# KiCad board PROC099A_PCB-PcbDoc.kicad_pcb (continued)
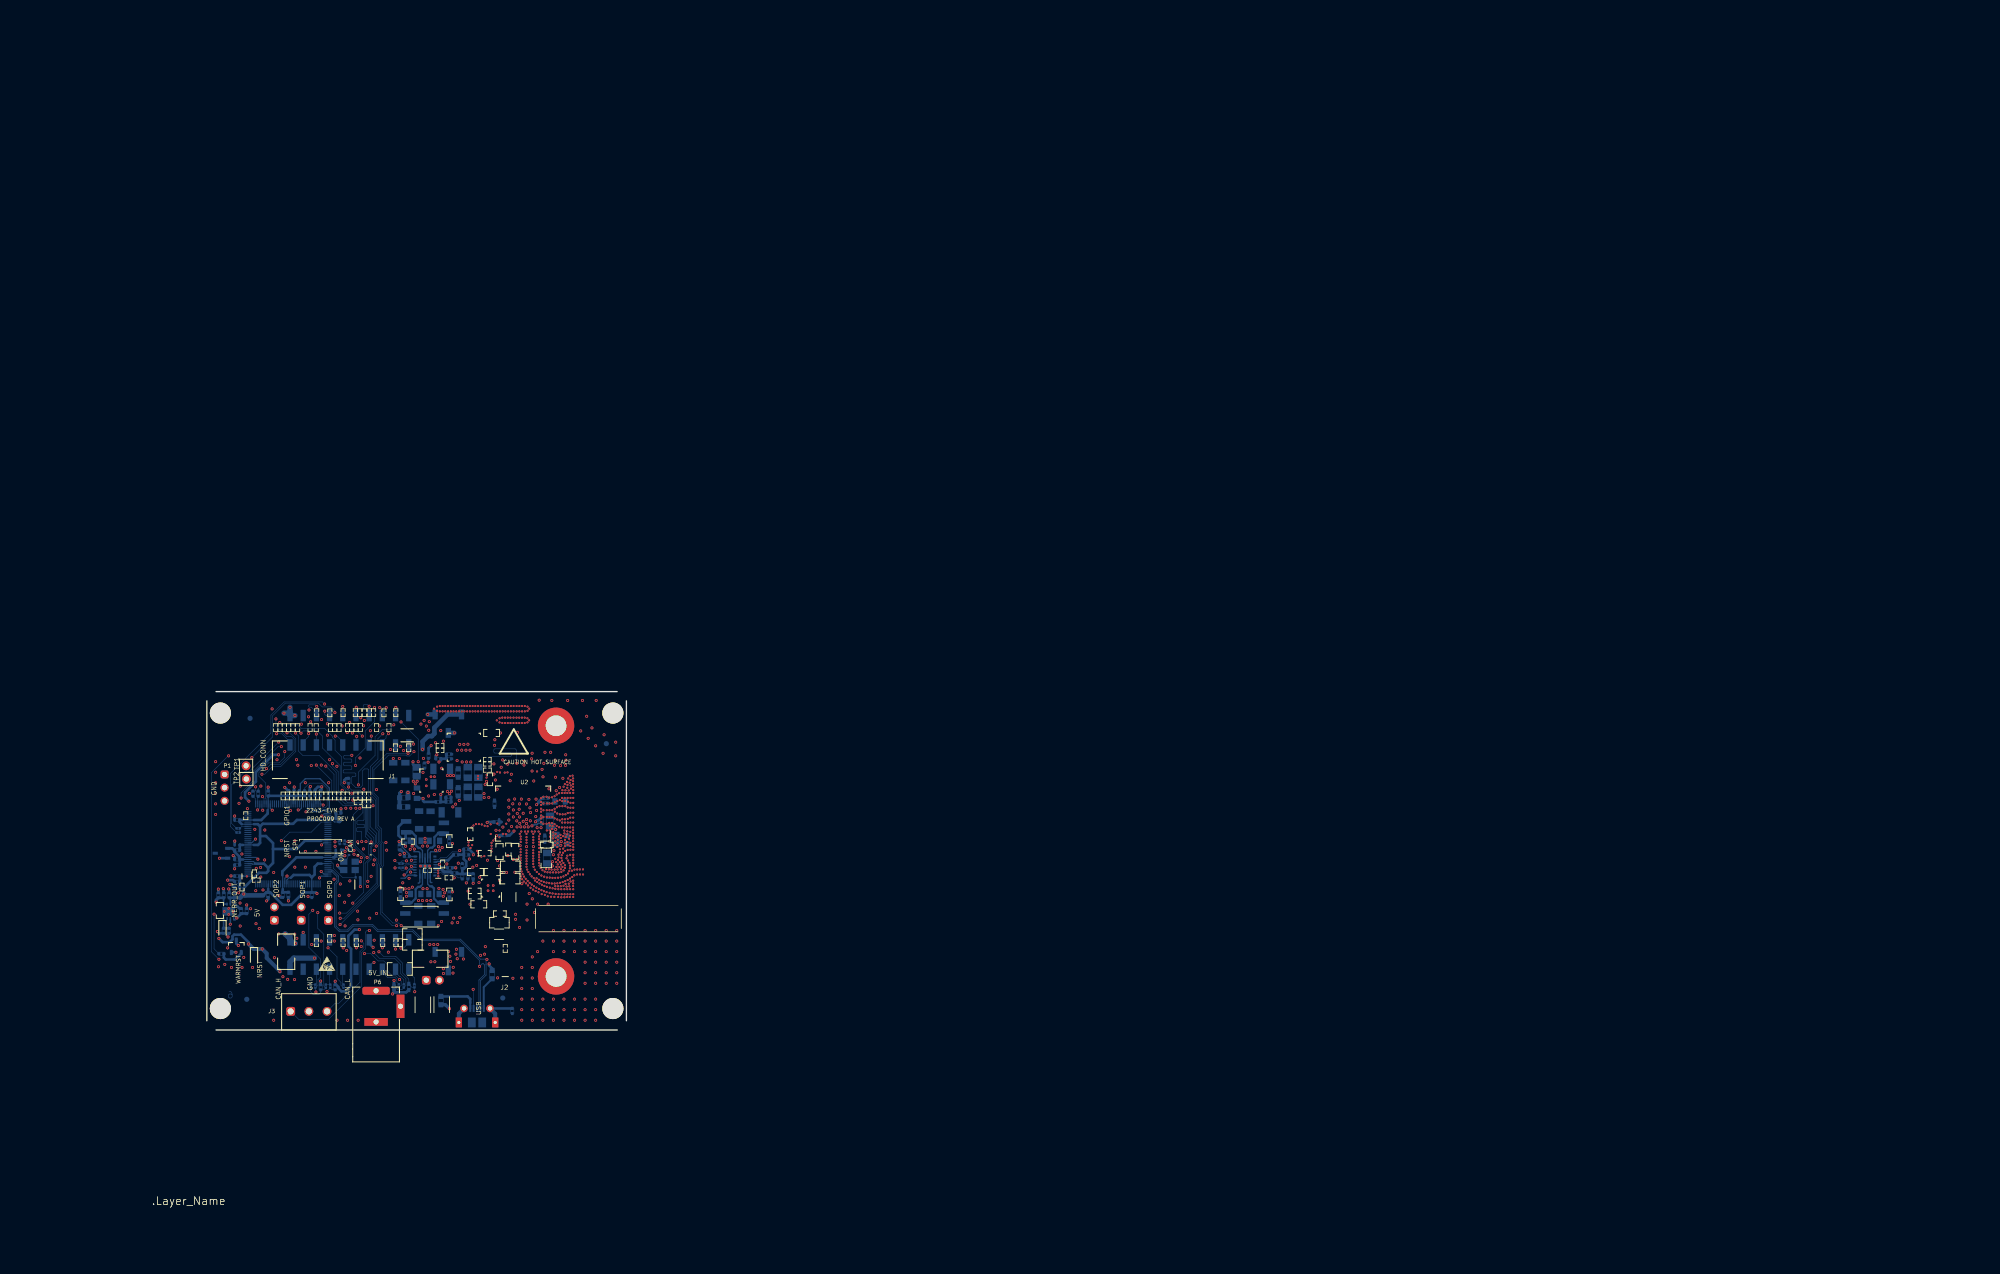
[diagram p0: board, top side]
## Routing (per net, layer and track width the routed paths; a pad name or vN(x,y) marks a point on that pad's centre or on a via; arc(x,y) is an arc through that point) (continued)
XDSET_TDI: length 29.7
  In2.Cu w0.127: v1(28.01,57.18) 27.42,56.59 26.13,56.59 25.43,57.29 22.81,57.29 19.98,54.46 15.87,54.46 v1(15,53.6)
  Bottom w0.102: U6.38 11.41,44.52 11.26,44.67 11.26,47.61 10.02,48.86 10.02,49.54 11.91,51.43 13.91,51.43 15,52.52 v1(15,53.6)
  In7.Cu w0.102: v1(28.01,57.18) 28.01,57.2 27.9,57.31 R30.2
XDSET_TDO: length 23.5
  In2.Cu w0.127: v1(28.68,42.7) 28.09,43.28 27.72,43.28 26.07,44.93 v1(10.71,44.93)
  Bottom w0.102: U6.37 11.01,44.58 10.71,44.88 v1(10.71,44.93)
  In7.Cu w0.102: v1(28.68,42.7) 29.16,43.18 29.67,43.18 30.08,42.77 30.73,42.77 R71.2
XDSET_TMS: length 21.5
  In2.Cu w0.127: v1(26.75,42.7) 26.75,42.34 26.17,41.76 22.74,41.76 21.07,43.43 11.87,43.43 v1(10.76,42.32)
  Bottom w0.102: v1(10.76,42.32) 10.61,42.47 U6.36
  In7.Cu w0.127: R69.2 28.67,43.72 27.77,43.72 v1(26.75,42.7)
XDSET_VBAT: length 2.6
  Bottom w0.203: 24.85,40.72 24.74,40.83 U6.68
  Bottom w0.508: 24.85,40.72 24.85,41.75 24.84,41.77
XDSET_VREFA: length 6.4
  Bottom w0.203: 6.97,32.83 U6.9
  Bottom w0.508: 6.33,32.83 6.33,33.31 5.37,34.27 5.37,34.6 5.27,34.6 4.89,34.98 3.97,34.98 ; 6.33,32.83 6.34,32.83 6.97,32.83 ; 6.33,32.83 6.33,31.78 6.33,31.78

## Copper pours and planes (outline as drawn; the poured copper is in the pictures)
5V_IN on In3.Cu: outline of 334 points within 12.99,8.31 43.2,60.17
5V_IN on In7.Cu: 13,12.47 13.74,13.21 19.04,13.21 19.55,12.7 19.55,8.89 19.2,8.53 13.53,8.53 13,9.07
5V_IN on In7.Cu: 39.82,9.99 39.82,19.38 41.56,19.38 41.56,13.07 43.33,11.3 43.33,8.53 43.31,8.52 41.29,8.52
5V_IN on In7.Cu: 43.68,59.6 43.21,60.07 41.03,60.07 39.95,58.98 39.95,55.57 40.38,55.14 41.86,55.14 43.68,56.97
5V_UNREG on Bottom: 41.15,28.89 41.17,28.89 41.17,28.18 41.1,28.16 41.06,28.14 41.03,28.12 41,28.1 40.87,27.98 40.49,27.98 40.27,27.76 40.25,27.76 39.86,27.37 39.86,27.35 39.78,27.27 39.78,25.51 39.72,25.46 37.92,25.46 37.92,27.85 38.52,28.45 38.53,28.45 38.79,28.71 40.79,28.71 40.86,28.79 40.86,30.92 40.88,30.94 41.13,30.94 41.15,30.93
5V_UNREG on Bottom: 43.15,34.08 43.32,34.25 44,34.25 44,34.2 45.28,34.2 46.06,34.99 46.06,37.48 44.55,37.48 44.23,37.16 44.23,35.33 43.58,34.68 43.07,34.68 42.87,34.49 42.87,32.91 42.87,32.19 43.15,32.19
5V_UNREG on Bottom: 46.07,27.84 46.07,25.49 46.04,25.46 44.19,25.46 44.14,25.5 44.14,27.43 43.5,28.08 43.01,28.08 42.84,28.24 42.84,28.89 42.86,28.89 42.86,30.94 42.87,30.95 43.15,30.95 43.15,28.87 43.3,28.71 45.19,28.71
5V_UNREG on Bottom: 40.86,32.19 40.86,34.2 40.81,34.2 40.81,34.25 40.01,34.25 40.01,34.2 38.73,34.2 38.73,37.47 39.47,37.47 39.8,37.14 39.8,35.39 40.58,34.62 40.98,34.62 41.13,34.47 41.13,32.19
5V_UNREG on In3.Cu: outline of 198 points within 35.75,8 48.21,36.92
5V_UNREG on In7.Cu: 44.41,15.02 44.95,15.56 47.31,15.56 47.44,15.43 47.44,8.62 43.94,8.62 43.94,11.29 44.41,11.76
GND on Bottom: 43.06,26.96 43.3,26.96 43.3,25.16 44.05,24.41 44.05,23.35 39.82,23.35 39.82,24.28 39.84,24.33 39.85,24.4 40.62,25.17 40.62,26.92 40.63,26.93 40.91,26.93 41.11,27.14 41.22,27.14 41.55,27.47 41.58,27.5 41.6,27.53 41.62,27.56 41.64,27.59 41.65,27.63 41.67,27.7 41.87,27.9 41.87,30.94 42.13,30.94 42.13,27.88
GND on Bottom: outline of 282 points within 47.72,0.83 80.01,64.22
GND on Bottom: 65.63,38.51 65.07,39.07 65.07,39.17 64.62,39.62 63.6,39.62 63.6,39.7 63.86,39.97 64.01,39.97 64.12,40.08 65,40.08 65.02,40.11 65.14,40.11 65.35,39.9 68.35,39.9 68.35,38.51
GND on Bottom: 61.8,0.79 61.8,0.79 61.51,0.79 61.51,19.84 80,19.84 80,7.58 76.68,7.58 75.53,6.44 75.53,0.79
GND on Bottom: outline of 206 points within 42.59,7.8 53.18,18.83
GND on Bottom: 34.98,49.88 41.17,49.88 41.24,49.95 41.24,51.4 40.44,52.2 39.51,52.2 39.15,52.56 35.03,52.56 34.66,52.19 34.66,50.19
GND on Bottom: 47.94,49.76 47.91,49.78 47.91,51.06 47.8,51.17 47.8,52.66 48.2,53.06 53,53.06 53.41,52.65 53.41,50.12 53.05,49.76
GND on Bottom: 44.12,38.33 44.1,38.28 44.08,38.24 44.07,38.19 43.39,37.5 43.39,35.76 43.2,35.76 42.96,35.52 42.91,35.51 42.87,35.5 42.84,35.48 42.81,35.47 42.78,35.45 42.75,35.42 42.72,35.4 42.7,35.37 42.68,35.34 42.66,35.31 42.64,35.28 42.62,35.24 42.61,35.21 42.6,35.16 42.2,34.75 42.2,34.75 42.17,34.73 42.17,34.25 42.15,34.25 42.15,32.19 41.86,32.19 41.86,34.25 41.84,34.25 41.84,34.7 41.79,34.74 41.79,34.75 41.44,35.1 41.43,35.15 41.42,35.19 41.41,35.22 41.39,35.25 41.37,35.29 41.34,35.31 41.32,35.34 41.29,35.36 41.26,35.39 41.23,35.41 41.2,35.42 41.17,35.44 41.09,35.45 40.85,35.69 40.69,35.69 40.64,35.74 40.64,37.49 39.95,38.18 39.94,38.24 39.92,38.28 39.91,38.32 39.89,38.36 39.85,38.42 39.85,39.27 44.12,39.27
GND on In2.Cu: outline of 382 points within 0.76,0.76 80.01,64.39
GND on In3.Cu: outline of 382 points within 0.76,0.76 80.01,64.39
GND on In4.Cu: outline of 382 points within 0.76,0.76 80.01,64.39
GND on In7.Cu: 75.3,47.81 74.33,47.81 74.33,47.11 73.1,47.11 73.1,47.81 72.13,47.81 72.13,47.11 71,47.11 71,47.15 70,47.15 70,46.97 71,46.97 71,47.01 72.13,47.01 72.13,46.31 73.1,46.31 73.1,47.01 74.33,47.01 74.33,46.31 75.3,46.31 75.3,47.01 76.73,47.01 76.73,46.91 76.53,46.91 76.53,46.31 77.45,46.31 77.45,47.81 76.53,47.81 76.53,47.21 76.73,47.21 76.73,47.11 75.3,47.11
GND on In7.Cu: 45.12,19.75 45.66,20.29 45.66,21.3 45.65,21.31 45.65,22.81 45.03,23.43 42.66,23.43 42.11,22.88 42.11,20.46 42.82,19.75
GND on In7.Cu: 38.53,6.32 38.53,5.36 40.35,3.53 46.4,3.53 46.45,3.48 46.45,1.85 45.59,0.99 30.96,0.99 30.32,1.63 30.32,4.5 30.75,4.93 34.87,4.93 36.84,6.9 37.95,6.9
GND on In7.Cu: 63.46,6.52 71.05,6.52 71.05,14.19 63.46,14.19
GND on In7.Cu: 75.3,38.31 74.33,38.31 74.33,37.61 73.1,37.61 73.1,38.31 72.13,38.31 72.13,37.61 71,37.61 71,37.65 70,37.65 70,37.47 71,37.47 71,37.51 72.13,37.51 72.13,36.81 73.1,36.81 73.1,37.51 74.33,37.51 74.33,36.81 75.3,36.81 75.3,37.51 76.73,37.51 76.73,37.41 76.53,37.41 76.53,36.81 77.45,36.81 77.45,38.31 76.53,38.31 76.53,37.71 76.73,37.71 76.73,37.61 75.3,37.61
GND on In7.Cu: 33.66,34.88 33.66,33.56 33.69,33.52 34.53,33.52 34.94,33.93 34.94,34.9 34.77,35.06 33.84,35.06
GND on In7.Cu: 40.71,34.71 40.43,34.99 40.43,35.55 40.05,35.93 38.91,35.93 38.91,36.53 39.65,37.28 46.86,37.28 47.05,37.09 47.05,36.65 46.96,36.56 44.16,36.56 43.94,36.33 43.94,35.19 43.45,34.71
GND on In7.Cu: 40.33,27.57 43.5,27.57 44.22,26.86 44.22,25.51 44.49,25.23 45.74,25.23 46.02,25.51 46.02,25.62 46.32,25.92 47.06,25.92 47.16,25.82 47.16,25.31 46.02,24.17 37.15,24.17 36.85,24.47 36.85,25.9 36.93,25.97 37.81,25.97 37.93,25.86 37.93,25.35 38.14,25.13 39.57,25.13 39.64,25.21 39.64,26.89 39.87,27.11 39.9,27.14 39.95,27.19
GND on In7.Cu: 53.13,27.78 53.76,27.78 53.76,28.07 55.51,28.07 55.51,27.78 56.13,27.78 56.13,27.5 55.51,27.5 55.51,27.13 56.13,27.13 56.13,26.85 55.51,26.85 55.51,26.57 53.76,26.57 53.76,26.85 53.13,26.85 53.13,27.13 53.76,27.13 53.76,27.5 53.13,27.5
GND on In7.Cu: 62.5,63.17 62.5,58.65 52.75,58.65 52.75,60.5 43.15,60.5 43.15,63.17
GND on In7.Cu: outline of 571 points within 56.58,0.76 80,49.18
GND on In7.Cu: 44.38,29.41 44.38,30.03 43.81,30.03 43.81,30.28 44.38,30.28 44.38,30.98 44.73,30.98 44.73,30.54 44.73,29.41
GND on In8.Cu: 64.19,13.45 64.19,7.18 70.42,7.18 70.42,13.45
GND on In8.Cu: outline of 378 points within 0.76,0.76 80.01,64.39
(no net) on Bottom: 46.06,34.99 45.28,34.2 44,34.2 44,34.25 43.32,34.25 43.15,34.08 43.15,32.19 42.87,32.19 42.87,32.91 42.87,34.49 43.07,34.68 43.39,34.68 43.42,34.68 43.58,34.68 43.69,34.79 43.7,34.81 44.11,35.21 44.12,35.22 44.23,35.33 44.23,35.49 44.23,35.51 44.23,36.95 44.31,37.04 44.41,37.1 46.06,37.1
(no net) on Bottom: 42.13,27.88 43.06,26.96 43.3,26.96 43.3,25.33 43.3,25.31 43.3,25.16 43.41,25.04 43.43,25.03 44.05,24.41 44.05,23.35 39.82,23.35 39.82,24.28 39.85,24.38 39.85,24.4 40.5,25.04 40.51,25.06 40.62,25.17 40.62,25.32 40.62,25.34 40.62,26.92 40.63,26.93 40.91,26.93 41.11,27.14 41.22,27.14 41.55,27.47 41.58,27.5 41.6,27.53 41.65,27.63 41.67,27.7 41.87,27.9 41.87,30.94 42.13,30.94
(no net) on Bottom: 47.48,16.87 47.5,16.78 47.2,16.48 47.19,16.47 47.08,16.36 47.08,16.22 47.08,16.21 47.08,15.47 46.9,15.43 46.82,15.5 46.74,15.54 46.65,15.57 46.55,15.58 46.46,15.57 46.36,15.54 46.28,15.5 46.21,15.43 46.14,15.36 46.1,15.28 46.07,15.18 46.06,15.09 46.07,14.99 46.1,14.9 46.14,14.82 46.21,14.74 46.28,14.68 46.36,14.63 46.37,14.62 46.39,14.49 46.37,14.47 46.33,14.39 46.3,14.29 46.29,14.2 46.3,14.1 46.33,14.01 46.37,13.93 46.43,13.85 46.51,13.79 46.63,13.7 46.6,13.58 46.56,13.55 46.5,13.48 46.45,13.4 46.43,13.3 46.42,13.21 46.43,13.11 46.45,13.05
(no net) on Bottom: 65.35,39.9 68.35,39.9 68.35,38.51 65.63,38.51 65.07,39.07 65.07,39.17 64.62,39.62 63.7,39.62 63.65,39.75 63.81,39.92 63.84,39.92 63.93,39.93 64.02,39.95 64.1,39.99 64.17,40.05 64.2,40.08 64.84,40.08 64.85,40.08 65,40.08 65.02,40.1 65.15,40.1
(no net) on Bottom: 39.8,37.14 39.8,35.57 39.8,35.55 39.8,35.39 39.91,35.28 39.93,35.27 40.45,34.74 40.47,34.73 40.58,34.62 40.74,34.62 40.77,34.62 40.98,34.62 41.13,34.47 41.13,32.19 40.86,32.19 40.86,34.2 40.81,34.2 40.81,34.25 40.01,34.25 40.01,34.2 39.08,34.2 38.73,34.56 38.73,35.22 38.75,35.29 38.76,35.38 38.75,35.48 38.75,35.48 38.75,37.37 39.57,37.37
(no net) on Bottom: 70,34.24 69.16,33.4 64.61,33.4 64.51,33.5 64.51,34.62 64.66,34.77 68.37,34.77 68.88,35.28 68.88,36.25 70,36.25
(no net) on Bottom: 80,7.58 76.68,7.58 75.53,6.44 75.53,0.79 61.8,0.79 61.8,0.79 61.51,0.79 61.51,19.84 80,19.84
(no net) on Bottom: 41.73,42.98 41.73,41.12 40.3,39.7 37.36,39.7 37.36,41.45 38.08,42.17 38.08,43.47 41.23,43.47
(no net) on Bottom: outline of 127 points within 62.51,36.87 73.79,54.54
(no net) on Bottom: 44.12,38.44 44.11,38.32 44.1,38.28 44.08,38.24 44.07,38.19 43.39,37.5 43.39,37.15 43.39,37.13 43.39,35.76 43.2,35.76 43.03,35.59 42.95,35.52 42.91,35.51 42.87,35.5 42.78,35.45 42.75,35.42 42.72,35.4 42.7,35.37 42.68,35.34 42.66,35.31 42.64,35.28 42.62,35.24 42.61,35.21 42.6,35.16 42.2,34.75 42.2,34.75 42.17,34.73 42.17,34.25 42.15,34.25 42.15,32.19 41.86,32.19 41.86,34.25 41.84,34.25 41.84,34.7 41.79,34.74 41.79,34.75 41.52,35.03 41.44,35.12 41.43,35.15 41.42,35.19 41.37,35.29 41.34,35.31 41.32,35.34 41.29,35.36 41.26,35.39 41.23,35.41 41.2,35.42 41.17,35.44 41.09,35.45 40.85,35.69 40.69,35.69 40.64,35.74 40.64,37.31 40.64,37.33 40.64,37.49 40.53,37.6 40.52,37.61 39.95,38.18 39.95,38.2 39.92,38.3 39.87,38.39 39.85,38.42 39.85,39.27 44.12,39.27
(no net) on Bottom: outline of 109 points within 42.23,19.2 49.72,30.14
(no net) on Bottom: 17.27,19.14 17.27,18.38 16.83,17.95 16.83,17.68 16.83,17.65 16.83,17.63 16.83,17.44 17.44,16.83 17.44,15.99 17.37,15.91 13.94,15.91 13.15,16.7 13.15,19.16 13.28,19.29 17.11,19.29
(no net) on Bottom: 58.32,43.61 58.41,43.53 58.42,43.45 58.44,43.36 58.49,43.27 58.55,43.2 58.62,43.14 58.71,43.09 58.8,43.06 58.9,43.05 58.97,43.06 58.98,43.04 59.01,42.98 59.01,42.96 58.97,42.87 58.92,42.85 58.83,42.82 58.74,42.77 58.67,42.71 58.61,42.64 58.56,42.55 58.53,42.46 58.52,42.37 58.53,42.27 58.56,42.18 58.61,42.09 58.67,42.02 58.74,41.96 58.83,41.91 58.92,41.89 59.05,41.84 59.05,41.62 59.01,41.51 58.92,41.5 58.82,41.47 58.72,41.43
(no net) on Bottom: 50.64,14.85 50.64,13.18 50.41,12.95 47.9,12.95 47.47,13.39 47.47,16.21 47.8,16.54 48.95,16.54
(no net) on Bottom: 41.15,30.93 41.15,28.89 41.17,28.89 41.17,28.29 41.13,28.17 41.1,28.16 41.06,28.14 40.87,27.98 40.67,27.98 40.64,27.98 40.49,27.98 40.37,27.87 40.36,27.86 40.27,27.76 40.25,27.76 39.86,27.37 39.86,27.35 39.78,27.27 39.78,27.12 39.78,27.1 39.78,25.51 39.72,25.46 37.92,25.46 37.92,27.85 38.05,27.98 38.06,27.99 38.52,28.45 38.53,28.45 38.79,28.71 40.79,28.71 40.86,28.79 40.86,30.92 40.88,30.94 41.13,30.94
(no net) on Bottom: 57.26,36.93 57.16,36.93 56.33,36.1 56.33,36.33 56.71,36.71 56.71,36.97 56.54,37.14 55.89,37.14 55.79,37.04 55.57,37.04 55.37,37.23 55.37,38.64 55.54,38.81 55.89,38.81 56.05,38.65 56.05,37.99 56.14,37.9 57.24,37.9 57.39,37.75 57.39,37.06
(no net) on Bottom: 43.15,28.87 43.3,28.71 45.19,28.71 46.07,27.84 46.07,25.49 46.04,25.46 44.19,25.46 44.14,25.5 44.14,27.26 44.14,27.28 44.14,27.43 44.03,27.54 44.02,27.56 43.62,27.96 43.61,27.97 43.5,28.08 43.34,28.08 43.31,28.08 43.01,28.08 42.84,28.24 42.84,28.89 42.86,28.89 42.86,30.94 42.87,30.95 43.15,30.95
(no net) on Bottom: outline of 101 points within 42.07,33.07 49.77,42.92
(no net) on Bottom: 70.97,58.57 70.92,59.16 70.78,59.73 70.56,60.27 70.25,60.77 69.87,61.22 69.42,61.6 68.92,61.91 68.38,62.13 67.81,62.27 67.23,62.31 66.64,62.27 66.07,62.13 65.53,61.91 65.03,61.6 64.58,61.22 64.2,60.77 63.89,60.27 63.67,59.73 63.53,59.16 63.49,58.57 63.53,57.99 63.67,57.42 63.89,56.88 64.2,56.38 64.58,55.93 65.03,55.55 65.53,55.24 66.07,55.02 66.64,54.88 67.23,54.83 67.81,54.88 68.38,55.02 68.92,55.24 69.42,55.55 69.87,55.93 70.25,56.38 70.56,56.88 70.78,57.42 70.92,57.99
(no net) on Bottom: 53.41,52.65 53.41,50.12 53.05,49.76 47.94,49.76 47.91,49.78 47.91,51.06 47.8,51.17 47.8,52.66 48.2,53.06 53,53.06
(no net) on Bottom: 70.97,10.31 70.92,10.9 70.78,11.47 70.56,12.01 70.25,12.51 69.87,12.96 69.42,13.34 68.92,13.65 68.38,13.87 67.81,14.01 67.23,14.05 66.64,14.01 66.07,13.87 65.53,13.65 65.03,13.34 64.58,12.96 64.2,12.51 63.89,12.01 63.67,11.47 63.53,10.9 63.49,10.31 63.53,9.73 63.67,9.16 63.89,8.62 64.2,8.12 64.58,7.67 65.03,7.29 65.53,6.98 66.07,6.76 66.64,6.62 67.23,6.57 67.81,6.62 68.38,6.76 68.92,6.98 69.42,7.29 69.87,7.67 70.25,8.12 70.56,8.62 70.78,9.16 70.92,9.73
(no net) on Bottom: 66.8,41.62 66.8,40.54 64.92,40.54 64.84,40.46 64.18,40.46 64.18,41.35 64.46,41.63 66.79,41.63
(no net) on Bottom: outline of 144 points within 46.02,40.82 70.85,49.52
(no net) on Bottom: outline of 153 points within 36.01,32.94 45.58,50.73
(no net) on Bottom: 48.29,43.53 48.42,43.44 48.49,43.42 48.56,43.41 48.79,43.41 49.24,42.97 49.24,41.04 49.07,40.87 47.5,40.87 46.97,41.4 46.97,43.19 47.12,43.33 47.22,43.44 47.54,43.44 47.54,43.77 47.58,43.81 48.01,43.81
(no net) on Bottom: 38.39,52.53 38.45,52.5 38.52,52.49 39.03,52.49 39.09,52.5 39.16,52.53 39.17,52.54 39.51,52.2 40.43,52.2 40.43,52.07 40.42,52.06 40.34,52 40.28,51.92 40.24,51.84 40.21,51.75 40.2,51.65 40.21,51.56 40.24,51.46 40.28,51.38 40.34,51.31 40.42,51.24 40.5,51.2 40.59,51.17 40.69,51.16 40.79,51.17 40.88,51.2 40.96,51.24 41.04,51.31 41.09,51.37 41.12,51.38 41.24,51.29 41.24,49.95 41.17,49.88 34.98,49.88 34.66,50.19 34.66,52.19 35.03,52.56 38.35,52.56
(no net) on Bottom: 56.33,33.29 56.33,32.8 56.7,32.43 56.55,32.28 55.78,32.28 55.57,32.49 55.57,32.8 55.87,33.09 56.13,33.09
(no net) on In2.Cu: outline of 162 points within 7.87,40.28 37.51,43.51
(no net) on In2.Cu: 48.3,16.87 48.25,16.75 45.95,16.75 45.89,16.74 45.83,16.72 45.78,16.68 43.09,13.98 33.46,13.98 33.4,14.11 34.37,15.07 34.49,15.01 34.49,14.99 34.5,14.9 34.52,14.81 34.56,14.73 34.62,14.66 34.69,14.61 34.77,14.56 34.85,14.54 34.94,14.53 35.03,14.54 35.12,14.56 35.2,14.61 35.27,14.66 35.32,14.73 35.37,14.81 35.39,14.9 35.4,14.99 35.39,15.08 35.37,15.16 35.32,15.24 35.27,15.31 35.2,15.37 35.12,15.41 35.03,15.43 34.94,15.44 34.92,15.44 34.86,15.56 36.6,17.3 47.88,17.3
(no net) on In2.Cu: 47.19,57.56 47.19,56.91 47.4,56.7 47.82,56.7 48.23,57.11 48.23,57.6 48.06,57.77 47.4,57.77
(no net) on In2.Cu: 26.24,46.95 26.24,47.07 25.98,47.32 25.98,47.89 26.22,48.13 27.3,48.13 27.36,48.06
(no net) on In2.Cu: outline of 118 points within 23.64,51.76 38.64,57.53
(no net) on In2.Cu: outline of 210 points within 29.65,12.87 68.92,41.9
(no net) on In2.Cu: outline of 116 points within 12.9,8.07 50.01,19.02
(no net) on In2.Cu: outline of 219 points within 24.02,17.07 50.28,27.74
(no net) on In2.Cu: 54.93,55.17 54.93,54.52 55.14,54.31 55.57,54.31 55.98,54.72 55.98,55.2 55.8,55.38 55.15,55.38
(no net) on In2.Cu: outline of 224 points within 53.71,42.28 69.82,63.03
(no net) on In2.Cu: 56.35,51.02 56.35,50.91 56.29,50.84 56.25,50.76 56.22,50.68 56.21,50.59 56.22,50.5 56.25,50.41 56.29,50.33 56.35,50.27 56.42,50.21 56.49,50.17 56.58,50.14 56.67,50.13 56.76,50.14 56.84,50.17 56.92,50.21 56.99,50.27 57.05,50.33 57.09,50.41 57.12,50.5 57.13,50.59 57.12,50.68 57.09,50.76 57.06,50.82 57.09,50.9 57.13,50.95 57.52,50.95 57.53,50.93 57.58,50.86 57.65,50.8 57.73,50.76 57.82,50.73 57.91,50.72 57.99,50.73 58.08,50.76 58.16,50.8 58.23,50.86 58.26,50.9 58.39,50.86 58.39,49.63 58.37,49.62 58.3,49.56 58.24,49.5 58.2,49.42 58.17,49.33 58.17,49.24 58.17,49.15 58.19,49.09 58.17,49.02 58.11,48.96 55.77,48.96 55.69,49.09 55.72,49.18 55.73,49.26 55.72,49.35 55.69,49.44 55.65,49.52 55.59,49.59 55.52,49.64 55.44,49.69 55.36,49.71 55.27,49.72 55.18,49.71 55.09,49.69 55.02,49.64 54.95,49.59 54.89,49.52 54.88,49.5 49.85,49.5 45.81,53.55 45.85,53.66 46.57,53.66 46.63,53.67 46.69,53.69 46.74,53.73 48.53,55.52 51.85,55.52
(no net) on In2.Cu: 26.8,43.28 26.76,43.17 26.75,43.16 26.66,43.15 26.58,43.12 26.5,43.08 26.43,43.02 26.37,42.95 26.33,42.87 26.3,42.79 26.3,42.7 26.3,42.61 26.33,42.52 26.37,42.44 26.43,42.38 26.43,42.35 26.07,41.99 22.84,41.99 21.24,43.59 21.19,43.63 21.13,43.65 21.07,43.66 11.87,43.66 11.81,43.65 11.75,43.63 11.71,43.59 10.87,42.76 10.85,42.76 10.76,42.77 10.68,42.77 10.67,42.78 10.64,42.9 11.64,43.9 26.18,43.9
(no net) on In2.Cu: 79.08,64.39 79.17,64.37 79.26,64.35 79.34,64.33 79.42,64.29 79.5,64.25 79.58,64.21 79.65,64.15 79.71,64.09 79.77,64.03 79.83,63.96 79.87,63.88 79.91,63.8 79.95,63.72 79.98,63.64 79.99,63.55 80.01,63.46 80.01,63.37 80.01,62.89 79.68,62.95 79.5,63.08 79.32,63.18 79.13,63.28 78.93,63.35 78.72,63.41 78.51,63.45 78.3,63.47 78.08,63.47 77.87,63.46 77.66,63.42 77.45,63.37 77.25,63.3 77.06,63.21 76.87,63.11 76.69,62.99 76.53,62.85 76.37,62.7 76.23,62.54 76.11,62.36 76,62.18 75.91,61.99 75.83,61.79 75.78,61.58 75.74,61.37 75.71,61.16 75.71,60.94 75.73,60.73 75.76,60.52 75.82,60.31 75.89,60.11 75.98,59.92 76.08,59.73 76.2,59.55 76.34,59.39 76.49,59.24 76.65,59.1 76.82,58.97 77.01,58.86 77.2,58.77 77.4,58.69 77.6,58.64 77.81,58.6 78.03,58.58 78.24,58.57 78.45,58.59
(no net) on In2.Cu: 53.44,40.22 53.44,39.66 53.68,39.42 54.25,39.42 54.5,39.67 54.5,40.26 54.29,40.46 53.68,40.46
(no net) on In2.Cu: outline of 136 points within 33.79,53.51 44.18,55.76
(no net) on In2.Cu: 58.82,55.26 58.82,54.58 58.7,54.53 54.98,58.24 55.03,58.37 55.71,58.37
(no net) on In2.Cu: outline of 107 points within 32.67,45.44 47.68,51.94
(no net) on In2.Cu: 65.35,46.71 65.35,46.35 66.01,45.7 66.39,45.7 66.39,47.51 66.15,47.51
(no net) on In3.Cu: outline of 162 points within 62.62,26.37 67.68,44.32
(no net) on In3.Cu: outline of 212 points within 26.86,25.44 32.39,36.77
(no net) on In3.Cu: outline of 121 points within 45.87,39.98 63.11,50.34
(no net) on In3.Cu: outline of 131 points within 75.71,1.52 80.01,64.39
(no net) on In3.Cu: outline of 159 points within 28.26,32.46 40.31,48.25
(no net) on In3.Cu: outline of 169 points within 34.9,51.81 43.2,59.79
(no net) on In3.Cu: 23.69,54.14 23.69,53.62 23.7,53.56 23.72,53.51 23.76,53.46 23.98,53.23 24.03,53.2 24.08,53.18 24.14,53.17 27.4,53.17 27.46,53.1 27.48,53.04 27.46,52.97 27.45,52.88 27.46,52.79 27.49,52.71 27.53,52.63 27.59,52.56 27.65,52.5 27.73,52.46 27.82,52.43 27.91,52.43 28,52.43 28.08,52.46 28.16,52.5 28.23,52.56 28.29,52.63 28.33,52.71 28.36,52.79 28.37,52.88 28.36,52.97 28.34,53.04 28.36,53.1 28.42,53.17 30.95,53.17 31.15,52.97 31.15,52.02 30.96,51.83 24.51,51.83 24.45,51.82 24.39,51.8 24.35,51.76 24.31,51.72 24.27,51.73 24.18,51.74 24.1,51.73 24.01,51.7 23.93,51.66 23.86,51.6 23.8,51.54 23.76,51.46 23.74,51.37 23.74,51.36 23.6,51.31 23.09,51.82 23.09,53.72 23.56,54.19
(no net) on In3.Cu: outline of 119 points within 39.22,48.06 45.17,57.21
(no net) on In3.Cu: 24.22,36.23 24.22,36.22 24.22,36.13 24.25,36.05 24.29,35.97 24.35,35.9 24.39,35.87 24.4,35.84 24.4,35.76 24.39,35.71 24.36,35.69 24.31,35.62 24.26,35.54 24.24,35.46 24.23,35.37 24.24,35.28 24.26,35.19 24.31,35.12 24.36,35.05 24.43,34.99 24.51,34.95 24.6,34.92 24.69,34.91 24.78,34.92 24.86,34.95 24.94,34.99 25.01,35.05 25.07,35.12 25.08,35.15 25.28,35.15 25.34,35.15 25.35,35.16 25.41,35.14 25.45,35.12 25.48,35.08 25.48,32.55 25.49,32.48 25.51,32.43 25.55,32.38 26.01,31.92 26.01,28.6 25.88,28.52 25.87,28.53 25.79,28.55 25.7,28.56 25.61,28.55 25.52,28.53 25.44,28.49 25.38,28.43 25.32,28.36 25.28,28.28 25.25,28.19 25.24,28.11 25.25,28.02 25.28,27.93 25.32,27.85 25.38,27.78 25.44,27.73 25.52,27.68 25.61,27.66 25.7,27.65 25.79,27.66 25.87,27.68 25.88,27.69 26.01,27.61 26.01,25.7 25.59,25.28 25.56,25.23 25.53,25.18 25.52,25.12 25.52,24.56 25.4,24.51 24,25.91 24,36.19 24.09,36.29
(no net) on In3.Cu: outline of 135 points within 46.22,8 48.21,35.87
(no net) on In4.Cu: -42.91,1468.41 1475.58,1468.41 -42.91,-50.08
(no net) on In5.Cu: 2.69,48.71 4.17,48.71 4.17,49.73 2.69,49.73
(no net) on In5.Cu: -10.19,75.84 -9.18,75.84 -9.18,76.86 -10.19,76.86
(no net) on In5.Cu: 44.85,4.09 45.6,4.09 45.6,7.09 44.85,7.09
(no net) on In5.Cu: -10.22,73.48 -9.2,73.48 -9.2,74.49 -10.22,74.49
(no net) on In5.Cu: -10.19,78.09 -9.18,78.09 -9.18,79.11 -10.19,79.11
(no net) on In5.Cu: -10.19,83.1 -9.18,83.1 -9.18,84.12 -10.19,84.12
(no net) on In5.Cu: -10.19,80.34 -9.18,80.34 -9.18,81.35 -10.19,81.35
(no net) on In5.Cu: 15.45,2.96 16.88,2.96 16.88,4.11 15.45,4.11
(no net) on In5.Cu: 41.21,4.06 41.96,4.06 41.96,7.06 41.21,7.06
(no net) on In5.Cu: 37.4,19.74 37.91,19.74 37.91,23.9 37.4,23.9
(no net) on In6.Cu: 14.74,11.99 15.84,11.99 15.84,12.93 14.74,12.93
(no net) on In7.Cu: 19.55,12.7 19.55,8.89 19.2,8.53 13.53,8.53 13,9.07 13,12.47 13.74,13.21 19.04,13.21
(no net) on In7.Cu: 59.12,26.24 59.58,25.78 59.58,23.53 59.35,23.3 56.7,23.3 56.24,22.85 56.24,17.4 55.84,17 46.86,17 46.86,23.44 53.91,23.44 54.64,24.17 54.64,24.68 54.64,24.68 54.66,24.75 54.67,24.82 54.66,24.89 54.64,24.96 54.64,24.97 54.64,25.51 54.65,25.52 54.68,25.59 54.69,25.67 54.69,26.04 54.89,26.24
(no net) on In7.Cu: 79.35,29.67 78.43,29.67 78.43,30.27 78.63,30.27 78.63,30.37 77.2,30.37 77.2,29.67 76.23,29.67 76.23,30.37 75,30.37 75,29.67 74.03,29.67 74.03,30.37 72.9,30.37 72.9,30.33 71.9,30.33 71.9,30.51 72.9,30.51 72.9,30.47 74.03,30.47 74.03,31.17 75,31.17 75,30.47 76.23,30.47 76.23,31.17 77.2,31.17 77.2,30.47 78.63,30.47 78.63,30.57 78.43,30.57 78.43,31.17 79.35,31.17
(no net) on In7.Cu: 77.45,46.31 76.53,46.31 76.53,46.91 76.73,46.91 76.73,47.01 75.3,47.01 75.3,46.31 74.33,46.31 74.33,47.01 73.1,47.01 73.1,46.31 72.13,46.31 72.13,47.01 71,47.01 71,46.97 70,46.97 70,47.15 71,47.15 71,47.11 72.13,47.11 72.13,47.81 73.1,47.81 73.1,47.11 74.33,47.11 74.33,47.81 75.3,47.81 75.3,47.11 76.73,47.11 76.73,47.21 76.53,47.21 76.53,47.81 77.45,47.81
(no net) on In7.Cu: 43.68,59.6 43.68,56.97 41.86,55.14 40.38,55.14 39.95,55.57 39.95,58.98 41.03,60.07 43.21,60.07
(no net) on In7.Cu: 62.5,58.65 52.75,58.65 52.75,60.5 43.15,60.5 43.15,63.17 62.5,63.17
(no net) on In7.Cu: 63.04,50.1 63.04,48.52 62.93,48.4 62.85,48.39 62.76,48.36 62.68,48.32 62.61,48.27 62.55,48.2 62.51,48.12 62.49,48.03 62.48,47.94 62.49,47.85 62.51,47.77 62.55,47.69 62.61,47.62 62.68,47.56 62.71,47.55 62.71,47.07 62.43,46.79 62.43,46.57 62.37,46.51 62.33,46.46 62.31,46.41 62.3,46.35 62.3,46.13 62.19,46.02 62.13,46.02 62.09,46.06 62.09,46.53 62.08,46.59 62.06,46.64 62.02,46.69 61.72,46.99 61.72,49.57 62.48,50.33 62.81,50.33
(no net) on In7.Cu: 34.94,34.9 34.94,33.93 34.53,33.52 33.77,33.52 33.66,33.63 33.66,34.88 33.77,35 34.84,35
(no net) on In7.Cu: 77.45,36.81 76.53,36.81 76.53,37.41 76.73,37.41 76.73,37.51 75.3,37.51 75.3,36.81 74.33,36.81 74.33,37.51 73.1,37.51 73.1,36.81 72.13,36.81 72.13,37.51 71,37.51 71,37.47 70,37.47 70,37.65 71,37.65 71,37.61 72.13,37.61 72.13,38.31 73.1,38.31 73.1,37.61 74.33,37.61 74.33,38.31 75.3,38.31 75.3,37.61 76.73,37.61 76.73,37.71 76.53,37.71 76.53,38.31 77.45,38.31
(no net) on In7.Cu: 41.56,13.07 43.33,11.3 43.33,8.53 43.31,8.52 41.29,8.52 39.82,9.99 39.82,19.38 41.56,19.38
(no net) on In7.Cu: 77.45,38.71 76.53,38.71 76.53,39.31 76.73,39.31 76.73,39.41 75.3,39.41 75.3,38.71 74.33,38.71 74.33,39.41 73.1,39.41 73.1,38.71 72.13,38.71 72.13,39.41 71,39.41 71,39.37 70,39.37 70,39.55 71,39.55 71,39.51 72.13,39.51 72.13,40.21 73.1,40.21 73.1,39.51 74.33,39.51 74.33,40.21 75.3,40.21 75.3,39.51 76.73,39.51 76.73,39.61 76.53,39.61 76.53,40.21 77.45,40.21
(no net) on In7.Cu: 40.12,23.36 40.29,23.18 40.29,20.47 39.31,19.49 39.31,9.86 41.04,8.14 43.47,8.14 43.49,8.16 45.57,8.16 46.69,7.04 46.69,4.86 46.47,4.64 40.44,4.64 39.3,5.78 39.3,6.27 37.61,7.96 37.61,10 37.36,10.25 37.36,15.03 37.8,15.47 37.8,15.56 37.82,15.61 37.83,15.65 37.84,15.7 37.84,15.74 37.84,15.78 37.84,15.82 37.83,15.87 37.82,15.91 37.76,15.97 37.74,16.01 37.71,16.05 37.71,19.76 37.73,19.78 37.79,19.85 37.83,19.93 37.86,20.02 37.87,20.11 37.86,20.2 37.83,20.28 37.79,20.36 37.73,20.43 37.71,20.45 37.71,22.92 38.14,23.36
(no net) on In7.Cu: 70.71,45.51 70.62,45.42 68.17,45.42 66.34,44.55
(no net) on In7.Cu: 17.55,19.3 17.55,18.59 16.66,17.7 16.66,16.99 16.63,16.97 13.91,16.97 13.89,16.99 13.89,17.73 13.2,18.42 13.2,19.23 13.58,19.61 17.24,19.61
